# Altium PCB InsaneKeyboard.PcbDoc (part 3 of 4)
Units mil, origin at the board's own origin, x right, y up, seen from the top; angles counter-clockwise.
Board outline 7442.83 x 6333.68 mil, 4 copper layers (Top Layer, Int1 (GND), Int2 (GND), Bottom Layer), stack 60.6 mil thick; 288 components, 175 nets, 883 pads, 541 vias.
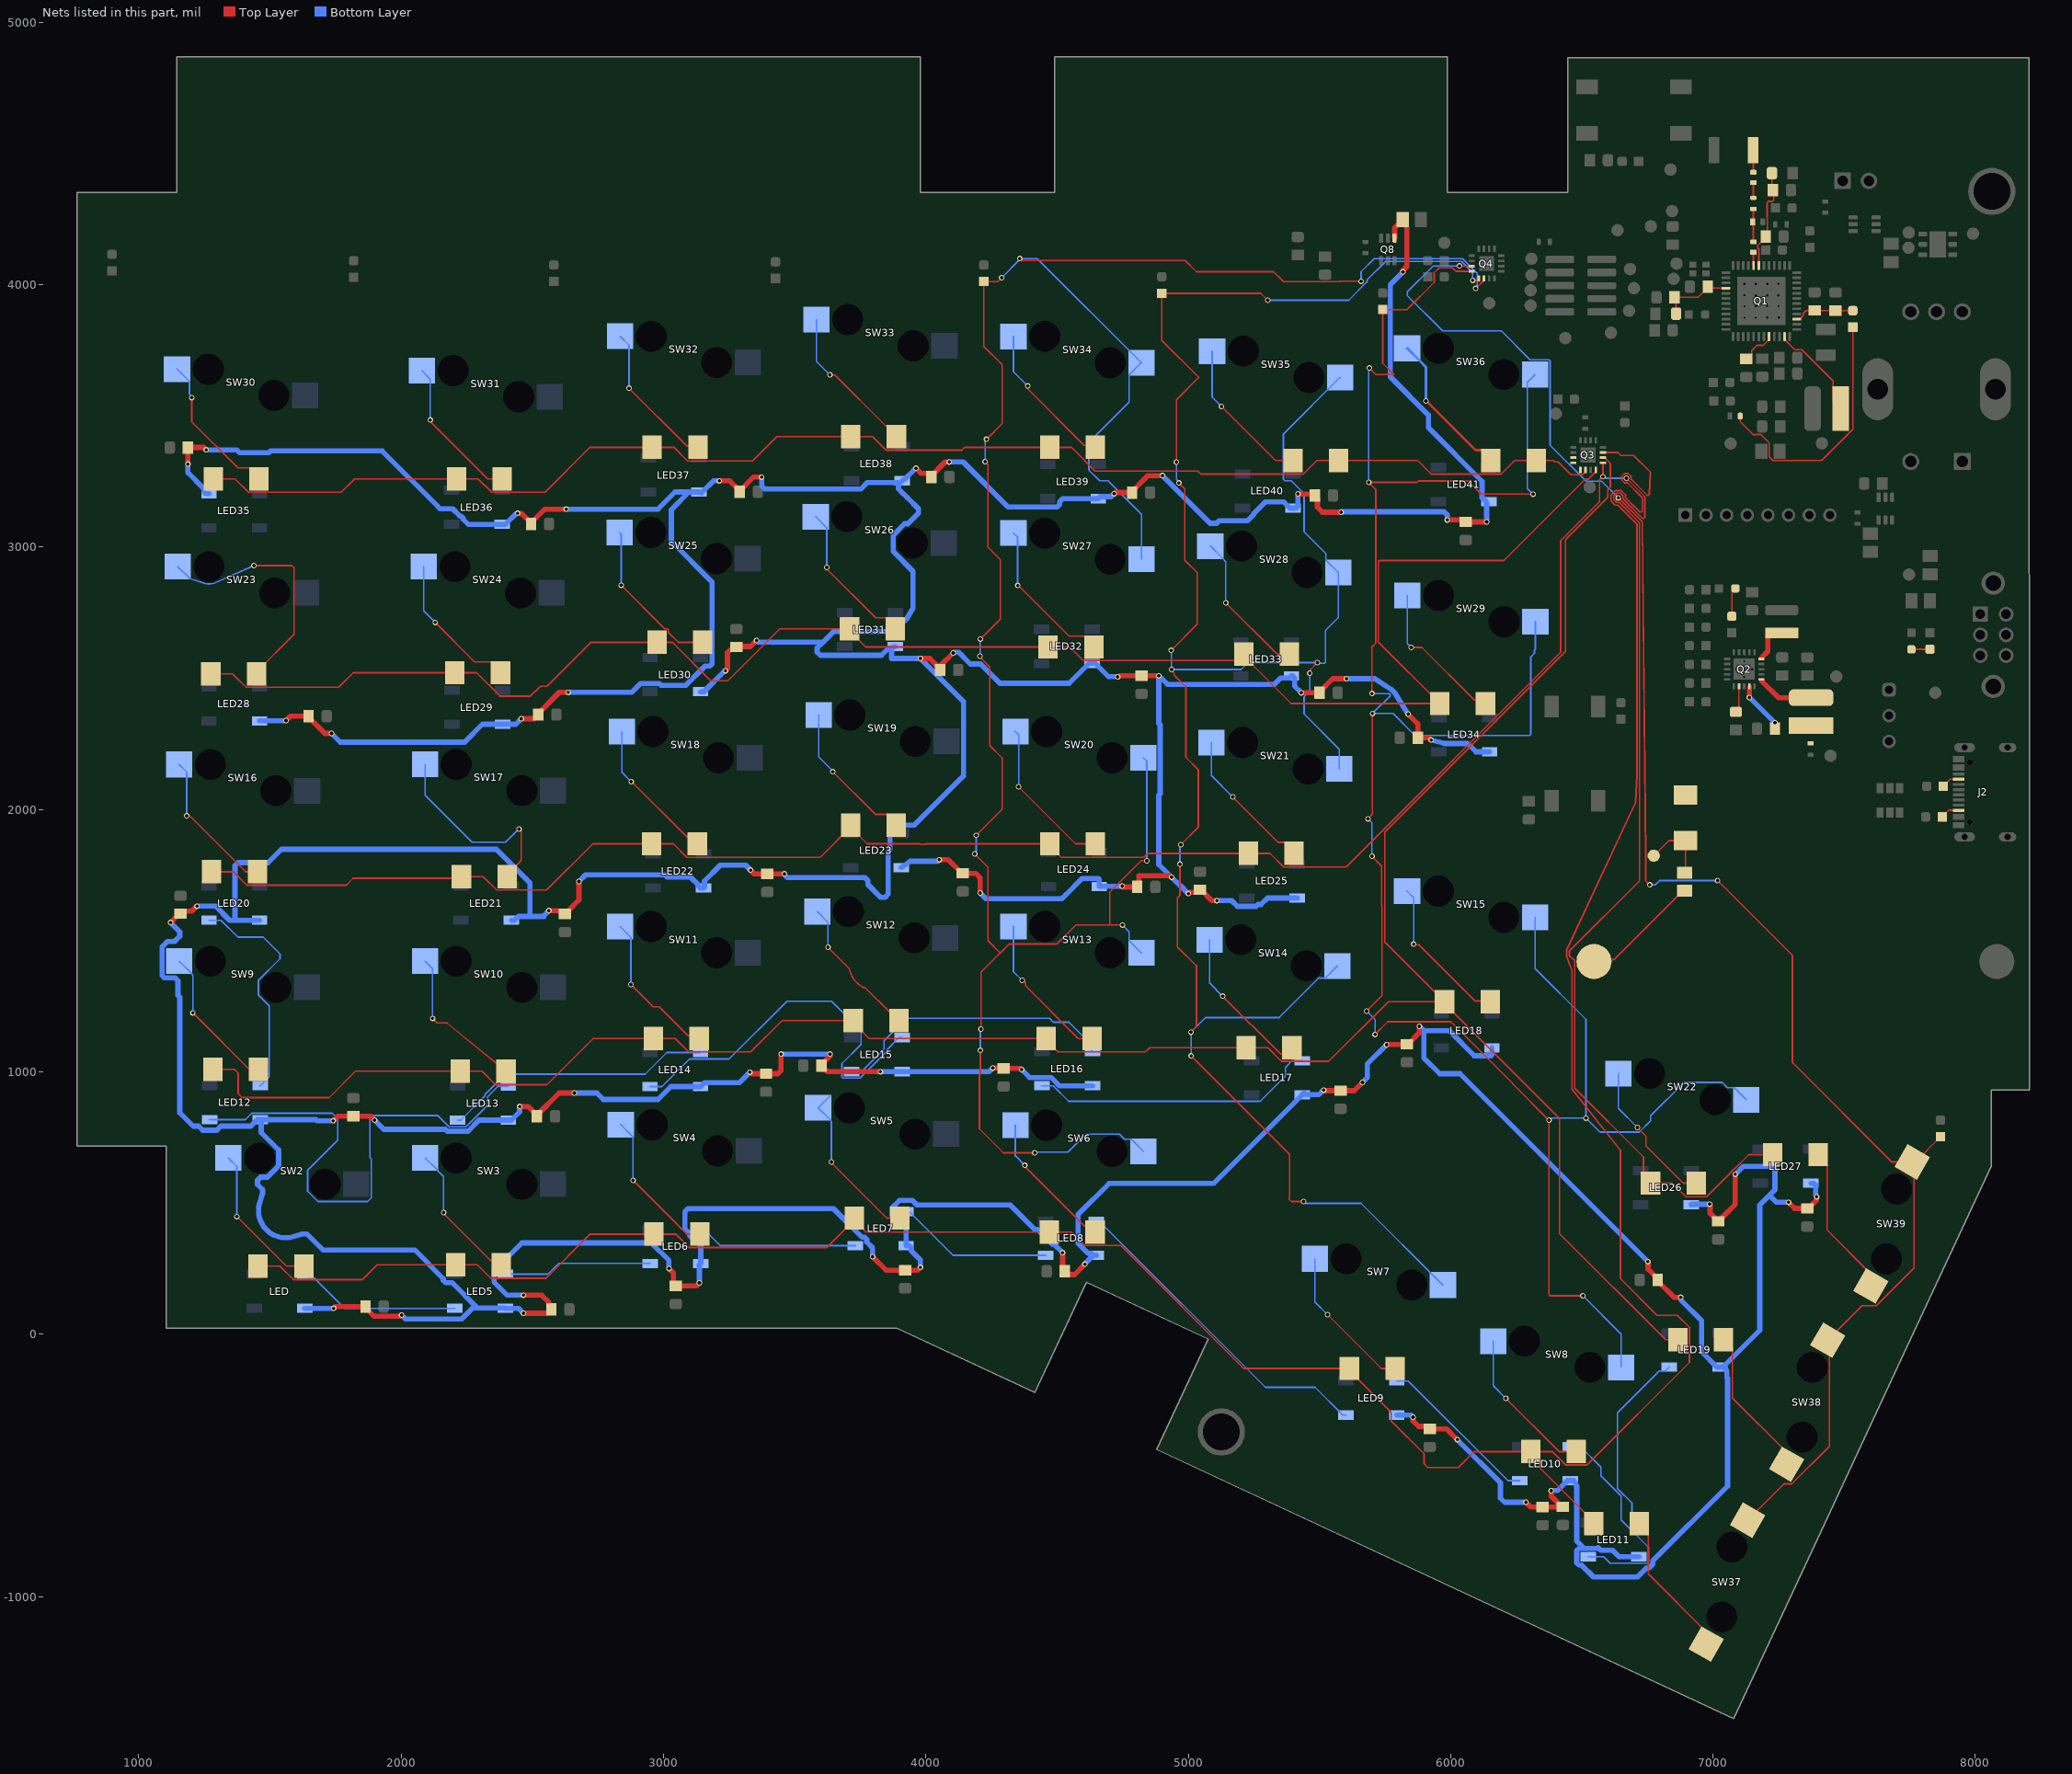
[diagram p5: the nets of this part, all layers, seen from the top]

## Via types
v1: diameter 21, hole 13, Top Layer to Bottom Layer, tented both sides, 274 vias
v2: diameter 21, hole 13, Top Layer to Bottom Layer, 266 vias
v3: diameter 23, hole 13, Top Layer to Bottom Layer, tented both sides, 1 vias

## Nets (pads, with @x,y where several pads share a name; then routed paths per layer and width w, separated by ;. In a path a pad name is that pad's centre, name@x,y a point inside that pad or via, vN(x,y) a via of type N, cw(c..) or ccw(c..) an arc to the next point about the centre after c; other vN are vias at no path point) (continued)
IO_COL_P4: Q4.7 R22.1 SW6.2 SW13.2 SW20.2 SW27.2 SW34.2 | length 9269
  Top Layer w6: v1(4186,1831) 4236.89,1780.11 4236.89,1500.09 4283.1,1453.88 ; v1(4192,1902) 4291.16,2001.16 4291.16,2197.05 4290.17,2197.05 4243.96,2243.26 4243.96,2544.04 4206,2582 v1(4206,2584.35) ; v1(4208,1082) 4208,992.75 4204,988.75 4204,783.21 4295.21,692 v2(4415,692) ; v1(4208,2650) 4284.08,2726.08 4284.08,2953.89 4283.1,2953.89 4236.89,3000.1 4236.89,3314.99 4226,3325.87 v1(4226,3326) ; v1(4210,1163.16) 4210,1380.78 4283.1,1453.88 ; v1(4231,3411) 4291.16,3471.16 4291.16,3695.9 4284.06,3703 4283.08,3703 4221,3765.08 R22.1@4221,4012.5 4274.5,4012.5 v1(4289,4027) ; v1@4361.5,4092.5 4989,4092.5 5031.5,4050 5324.97,4050 5363.1,4011.87 5575.34,4011.87 5576.97,4013.5 v1(5659,4013.5) ; v2(4749,1560) 4701,1560 ; v2(4842,1805) 4838,1805 4837,1806 4821.25,1806 4701,1685.75 4701,1560 ; v1(6095,3986) 6095.35,3986 6127.16,4017.81 Q4.7@6127.16,4024.5 ; 4283.1,1453.88 4284.08,1453.88 4318.03,1487.82 4499.93,1487.82 4572.1,1560 4701,1560
  Bottom Layer w6: v1(4186,1831) 4186,1835.06 4192,1841.06 v1(4192,1902) ; v1(4206,2584.35) 4207,2585.35 4207,2649 v1(4208,2650) ; v1(4208,1082) 4208,1161.16 v1(4210,1163.16) ; v1(4226,3326) v1@4226,3401.94 ; v1(4289,4027) 4357.98,4095.98 v1(4357.98,4100) 4423.96,4100 SW34.2@4820.95,3703 ; v2(4415,692) 4417,694 4541.68,694 4610.77,763.09 4737.46,763.09 4757.3,743.25 4782.82,743.25 SW6.2@4829.03,697.04 ; v2(4749,1560) 4774.76,1534.24 4774.76,1500.09 4820.97,1453.88 SW13.2@4821.96,1453.88 ; SW27.2@4821.96,2953.89 4821.96,3124.79 4693.95,3252.8 4662.48,3252.8 4620.93,3294.34 4620.93,3398.66 4774.74,3552.47 4774.74,3656.79 SW34.2@4820.95,3703 ; SW34.2@4821.94,3703 SW34.2@4820.95,3703 ; SW20.2@4829.03,2197.05 4842,2184.08 v2(4842,1805) ; v1(5659,4013.5) 5659,4050 5708.5,4099.5 6045.39,4099.5 6101.47,4043.42 6101.47,3996.53 6095,3990.06 v1(6095,3986)
IO_COL_P5: Q4.8 R23.1 SW7.2 SW14.2 SW21.2 SW28.2 SW35.2 | length 8995.6
  Top Layer w6: v1(4935,2607) 5034.09,2706.09 5034.09,2903.89 5033.1,2903.89 4986.89,2950.1 4986.89,3222.01 v1(4963.95,3244.95) ; v1(4937,2533.54) 4937,2529.48 4946.64,2519.84 4946.64,2511.36 4990.87,2467.13 4990.87,2199.21 5037.08,2153 5038.06,2153 5038.06,1932.06 v1(4972,1866) ; v1(4955,3324) 4955,3561.78 5040.18,3646.96 ; v1(4968,1792) 4968,1672.75 4959,1663.75 4959,1476.08 5030.08,1405 5031.06,1405 5031.06,1172.06 v1(5010.55,1151.55) ; v1(5011,1061) 5385.87,686.13 5385.87,521 5384.92,520.05 5384.92,515.08 5394,506 v2(5440,506) ; 5041.16,3646.96 5040.18,3646.96 ; v1(5303,3941) 5276.5,3967.5 R23.1@4899,3967.5 4899,3788.14 5040.18,3646.96 ; v2(5463,2520) 5465.87,2522.87 5465.87,2533.87 v2(5492,2560) ; v1(6083.97,4016.97) 6105.35,4016.97 6107.47,4019.09 Q4.8@6107.47,4024.5
  Bottom Layer w6: v1(4935,2607) 4936,2606 4936,2534.54 v1(4937,2533.54) 4937.22,2533.76 5201.49,2533.76 5227.73,2560 v2(5492,2560) 5494.87,2557.13 5510.93,2557.13 5511.06,2557 5519.49,2557 5523,2560.51 5523,2682.86 5571.96,2731.82 SW28.2@5571.96,2903.89 5570.98,2903.89 5524.77,2950.1 5524.77,2975.49 5441.5,3058.75 5441.5,3204.25 5392.25,3253.5 5367.77,3253.5 5362.93,3258.34 5362.93,3431.83 5578.05,3646.96 SW35.2@5579.04,3646.96 ; v1(4955,3324) 4955,3257.96 4963.95,3249.01 v1(4963.95,3244.95) ; v1(4968,1792) 4968,1862 v1(4972,1866) ; v1(5011,1061) 5011,1151.09 v1(5010.55,1151.55) 5066.45,1207.45 5347.08,1207.45 5497.2,1357.57 5522.72,1357.57 SW14.2@5568.94,1403.79 ; v1(5303,3941) 5611.25,3941 5681.75,4011.5 5681.75,4019 5752.25,4089.5 6041.25,4089.5 6083.97,4046.78 v1(6083.97,4016.97) ; v2(5440,506) 5447,499 5658.95,499 5969.95,188 SW7.2@5970.94,188 ; v2(5463,2520) 5463,2450.89 5441.5,2429.39 5441.5,2364.34 5575.94,2229.91 SW21.2@5575.94,2154.79
IO_COL_P6: Q4.9 R24.1 SW8.2 SW15.2 SW22.2 SW29.2 SW36.2 | length 9434.8
  Top Layer w6: v1(5680,1232) 5739,1291 5739,1633.08 5736.87,1635.21 5736.87,1785.13 v1(5700,1822) ; v1(5685,1965) 5702,1982 v1(5702,2366) ; v1(5690,3683) 5715,3658 5784.06,3658 5741,3701.06 R24.1@5741,3905.5 5833.34,3905.5 5937.22,4009.38 5937.22,4046.01 5955.93,4064.72 6007.19,4064.72 6020.43,4051.47 Q4.9@6080.5,4051.47 ; v1(5700,2442) 5700,2619.37 5714.93,2634.3 5714.93,3220.07 v1(5688,3247) 5872.25,3247 5877.75,3252.5 6067.13,3252.5 6117.63,3202 v2(6314,3202) ; v1(5712,1143) 5760.5,1191.5 6001.16,1191.5 6236.31,956.34 6236.31,954.69 v1(6375,816) 6375,150.51 6378.51,147 v2(6504,147)
  Bottom Layer w6: v1(5680,1232) 5712,1200 v1(5712,1143) ; v1(5685,1965) 5700,1950 v1(5700,1822) ; v1(5688,3247) 5688,3681 v1(5690,3683) ; v1(5700,2442) 5766,2442 5769.52,2438.49 5769.52,2433.52 v1(5702,2366) 5780.01,2366 5863.6,2282.4 6301.73,2282.4 6305.83,2286.5 6305.83,2581.79 6319.42,2595.38 6319.42,2607.1 6322.94,2610.62 SW29.2@6322.94,2716 ; v2(6314,3202) 6292.5,3223.5 6292.5,3628.56 SW36.2@6321.94,3658 ; SW15.2@6321.94,1589 6321.94,1394.21 6516,1200.14 v1(6516,824) ; v1(6375,816) 6378.01,816 6386.01,824 v1(6516,824) ; v2(6504,147) 6650.06,0.94 SW8.2@6650.06,-126.07 ; SW22.2@7126.94,894 7080.72,940.21 7055.2,940.21 7035.36,960.06 6889.72,960.06 6762.45,832.79 6762.45,813.7 6719.25,770.5 6569.5,770.5 v1(6516,824)
IO_COL_P7: Q4.10 R25.1 SW37.2 SW38.2 SW39.2 | length 6651.2
  Top Layer w6: v1(6034,4072) 6034.42,4071.58 6080.08,4071.58 Q4.10@6080.5,4071.16 ; v1(6639,3188) 6730,3097 6743.38,1823.68 6743.38,1728.62 v2(6759,1713) ; v2(7017.56,1729.44) 7302.73,1444.27 7302.73,1036.4 7682.62,656.51 7770.5,656.51 R25.1@7867,753.01 ; SW37.2@7131.87,-708.35 7270.14,-570.08 7300.42,-570.08 7443.92,-426.58 7443.92,-29.07 SW38.2@7437.33,-22.49 7568.75,108.92 7622.42,108.92 7765.92,252.42 7765.92,649.93 SW39.2@7762.13,653.72
  Bottom Layer w6: v1(6034,4072) 5933.75,4072 5835,3973.25 5835,3958.75 5969.7,3824.05 6193.26,3824.05 6303.1,3714.21 6375.03,3714.21 6379.13,3710.11 6379.13,3388.45 6516.08,3251.5 6575.5,3251.5 v1(6639,3188) ; v2(6759,1713) 6780.06,1713 6796.5,1729.44 v2(7017.56,1729.44)
IO_ROW_P0: D3.1 D4.1 D5.1 D6.1 D7.1 D8.1 D9.1 D38.1 Q3.2 | length 11101.4
  Top Layer w6: D3.1@1455,260 1537.6,260 1589.1,208.5 1853.3,208.5 1909.8,265 2290.6,265 2342.1,213.5 2551.8,213.5 2720.3,382 3046.6,382 3098.1,330.5 3622,330.5 D6.1@3727,435.5 ; D6.1@3727,443 D6.1@3727,435.5 ; D38.1@6545,-721 6545,-713.5 6339,-507.5 6339,-481 D9.1@6305,-447 ; Q3.2@6580.5,3360.84 6637.77,3360.84 6649.11,3349.5 6697.58,3349.5 6761.04,3286.04 6761.04,3283.42 6757.41,3201.51 6754,3198.11 6749.03,3198.11 6687.5,3259.64 6687.5,3270.25 6677.25,3280.5 6662.75,3280.5 6652.5,3270.25 6652.5,3255.75 6662.75,3245.5 6673.36,3245.5 6730,3188.86 6730,3137.28 6726.49,3133.77 6721.51,3133.77 6666.5,3188.78 6666.5,3199.39 6650.39,3215.5 6627.61,3215.5 6611.5,3199.39 6611.5,3176.61 6627.61,3160.5 6638.22,3160.5 6710,3088.72 6710,2132.78 6705.28,2026.37 6704.77,2025.29 6442.35,1464.05 6442.35,1439.2 6461.97,1387.26 6462.35,934.5 6647,702.74 6647,212.25 6786.75,72.5 6863.9,72.5 6910,26.4 6910,-107.4 6518.9,-498.5 6439.1,-498.5 6387.6,-447 D9.1@6305,-447 ; D6.1@3727,435.5 3772.5,390 4553.6,390 4605.1,338.5 4743.02,338.5 5211.52,-130 D8.1@5614,-130 5614,-137.5 5773.62,-297.12 5773.62,-330.51 5899.24,-456.13 5899.24,-493.99 5912.75,-507.5 6029.19,-507.5 6089.69,-447 D9.1@6305,-447
IO_ROW_P1: D10.1 D11.1 D12.1 D13.1 D14.1 D15.1 D16.1 D39.1 Q3.3 | length 9396
  Top Layer w6: D10.1@1282,1010 1364.6,1010 1379.23,995.37 1379.23,917.01 1393.86,902.38 1725.89,902.38 1826.04,1002.53 D11.1@2225.95,1002.53 2308.55,1002.53 2360.05,951.03 2555.75,951.03 2732.25,1127.53 3044.55,1127.53 3096.05,1076.03 3332.75,1076.03 3452.25,1195.53 D13.1@3722.95,1195.53 3722.95,1188.03 3783.45,1127.53 D14.1@4458.95,1127.53 4458.95,1120.03 4502.95,1076.03 4836.99,1076.03 4852.96,1092 D15.1@5221,1092 5303.6,1092 5355.1,1040.5 5535.3,1040.5 5762.8,1268 D16.1@5977,1268 ; Q3.3@6580.5,3341.16 6587.19,3341.16 6608.5,3319.85 6608.5,3229.78 6599.31,3220.59 6599.31,3190.73 6438,3029.43 6438,2603.46 5749,1914.46 5749,1496 D16.1@5977,1268 ; D39.1@6866,-21 6820,-21 6415.5,383.5 6415.5,822 5977,1260.5 D16.1@5977,1268
IO_ROW_P2: D17.1 D18.1 D19.1 D20.1 D21.1 D22.1 D23.1 D40.1 Q3.4 | length 10458
  Top Layer w6: D17.1@1278,1763 1360.6,1763 1412.1,1711.5 1790.78,1711.5 1817.28,1738 2223.42,1738 D18.1@2229.95,1744.53 2312.55,1744.53 2364.05,1693.03 2554.25,1693.03 2730.75,1869.53 3037.55,1869.53 3089.05,1818.03 3597.95,1818.03 D20.1@3712.95,1933.03 ; D20.1@3712.95,1940.53 D20.1@3712.95,1933.03 ; Q3.4@6580.5,3321.47 v1(6580.5,3269) 6567.72,3256.22 6567.72,3173.28 6419.5,3025.07 6419.5,2599.1 5601.9,1781.5 5363.1,1781.5 5311.6,1833 D22.1@5229,1833 4845.25,1833 4830.28,1818.03 4515.95,1818.03 4471.95,1862.03 D21.1@4471.95,1869.53 3999.28,1869.53 3996.25,1866.5 3981.75,1866.5 3978.72,1869.53 3776.45,1869.53 D20.1@3712.95,1933.03 ; v1(6670,3263) 6740,3193 6740,3113.14 6736.49,3109.63 6731.51,3109.63 6656.5,3184.64 6656.5,3195.25 6646.25,3205.5 6631.75,3205.5 6621.5,3195.25 6621.5,3180.75 6631.75,3170.5 6642.36,3170.5 6720,3092.86 6720,1727.55 6452.35,1459.91 6452.35,1443.34 6464.07,1431.62 6468.84,1429.14 6472.35,1425.62 6472.35,938.65 6735,676 6735,603 D23.1@6762,576 6844.6,576 6896.1,524.5 6975.9,524.5 7067.5,616.1 7067.5,617.25 7077.75,627.5 7078.9,627.5 7136.4,685 D40.1@7227,685
  Bottom Layer w6: v1(6580.5,3269) 6584.56,3269 6590.56,3263 v1(6670,3263)
IO_ROW_P3: D24.1 D25.1 D26.1 D27.1 D28.1 D29.1 D30.1 Q3.5 | length 6755.1
  Top Layer w6: D24.1@1274.95,2517.53 1357.55,2517.53 1409.05,2466.03 1762.25,2466.03 1817.75,2521.53 D25.1@2204.95,2521.53 2287.55,2521.53 2376.58,2432.5 2493.25,2432.5 2530.78,2470.03 2556.25,2470.03 2723.75,2637.53 3033.25,2637.53 3179.78,2491 3245.51,2491 3443.51,2689 D27.1@3709,2689 3709,2681.5 3770.97,2619.53 4548.55,2619.53 4600.05,2568.03 5188.03,2568.03 D29.1@5212,2592 5212,2584.5 5392.5,2404 D30.1@5959,2404 5724.93,2638.07 5724.93,2945.42 5728.45,2948.93 6203.56,2948.93 6514.25,3259.62 6525.34,3259.62 6553.53,3287.81 Q3.5@6553.53,3294.5
IO_ROW_P4: D31.1 D32.1 D33.1 D34.1 D35.1 D36.1 D37.1 Q3.7 | length 5591
  Top Layer w6: D31.1@1283.95,3260.53 1366.55,3260.53 1418.05,3209.03 1771.75,3209.03 1823.25,3260.53 2293.55,3260.53 2345.05,3209.03 2548.25,3209.03 2719.75,3380.53 3039.55,3380.53 3091.05,3329.03 3339.25,3329.03 3431.75,3421.53 3796.55,3421.53 3848.05,3370.03 4137.75,3370.03 4148.25,3380.53 D35.1@4471.95,3380.53 4554.55,3380.53 4645.07,3290.01 5036.23,3290.01 5047.74,3278.5 5438.9,3278.5 5490.4,3330 D36.1@5573,3330 5874.2,3330 5925.7,3278.5 6192.9,3278.5 6244.4,3330 D37.1@6327,3330 6392.33,3330 6397.38,3324.95 6409.42,3324.95 6458.67,3275.69 6502.04,3275.69 6514.16,3287.81 Q3.7@6514.16,3294.5
IO_ROW_P5: Q3.8
IO_ROW_P6: Q3.9
IO_ROW_P7: Q3.10
LED_PWR: C30.1 C31.1 C32.1 C33.1 C34.1 C35.1 C36.1 C37.1 C38.1 C39.1 C40.1 C41.1 C42.1 C43.1 C44.1 C45.1 C46.1 C47.1 C48.1 C49.1 C50.1 C51.1 C52.1 C53.1 C54.1 C55.1 C56.1 C57.1 C58.1 C59.1 C60.1 C61.1 C62.1 C63.1 C64.1 C65.1 C66.1 C67.1 C68.1 LED5.1-VDD LED6.1-VDD LED7.1-VDD LED8.1-VDD LED9.1-VDD LED10.1-VDD LED11.1-VDD LED12.1-VDD LED13.1-VDD LED14.1-VDD LED15.1-VDD LED16.1-VDD LED17.1-VDD LED18.1-VDD LED19.1-VDD LED20.1-VDD LED21.1-VDD LED22.1-VDD LED23.1-VDD LED24.1-VDD LED25.1-VDD LED26.1-VDD LED27.1-VDD LED28.1-VDD LED29.1-VDD LED30.1-VDD LED31.1-VDD LED32.1-VDD LED33.1-VDD LED34.1-VDD LED35.1-VDD LED36.1-VDD LED37.1-VDD LED38.1-VDD LED39.1-VDD LED40.1-VDD LED41.1-VDD LED.1-VDD Q8.6 | length 41466.9
  Top Layer w20: v2(1121.14,1569.07) 1155.06,1603 C47.1@1159,1603 1168.69,1612.69 1202.41,1612.69 1221.73,1632 v2(1222,1632) ; v2(1187.45,3316.45) C32.1@1187.45,3380 1248,3380 v2(1257,3371) ; v2(1561,2339) 1561.27,2339 1578.27,2356 1643.61,2356 1709.1,2290.51 1734.81,2290.51 v2(1735,2290.32) ; v2(1741,814) 1741.27,814 1758.82,831.55 C60.1@1818,831.55 1883.18,831.55 1898.73,816 v2(1899,816) ; v2(1743,99) 1750,106 C59.1@1864.55,106 1864.55,102.06 1898.24,68.38 1997.11,68.38 2001.73,73 v2(2002,73) ; v2(2444,3129) 2444.19,3128.81 2458.86,3128.81 C33.1@2495.23,3092.44 ; v2(2452,868) 2452.19,867.81 2484.68,867.81 C62.1@2517.55,834.94 ; v2(2458,2346) 2506.55,2346 2508.93,2348.38 2512.87,2348.38 2522.55,2358.06 C46.1@2522.55,2362 2522.55,2365.94 2603.42,2446.81 2636.81,2446.81 v2(2637,2447) ; v2(2466,80) 2466.19,80.19 2551.15,80.19 2552.34,81.38 2562.87,81.38 2572.55,91.06 C63.1@2572.55,95 2562.87,104.69 2562.87,122.13 2536,149 v2(2466,149) ; C33.1@2495.23,3088.5 C33.1@2495.23,3092.44 ; C62.1@2517.55,831 C62.1@2517.55,834.94 ; v2@2563,1614.73 2563.08,1614.81 2563.9,1614.81 2563.98,1614.73 2599.15,1614.73 2601.97,1611.91 2614.81,1611.91 C48.1@2624.49,1602.23 2628.43,1602.23 2638.11,1611.91 2638.11,1615.85 2677.85,1655.58 v2(2677.85,1725.76) ; v2(2629,3145) 2547.79,3145 C33.1@2495.23,3092.44 ; v2(2660.05,919.32) 2601.94,919.32 C62.1@2517.55,834.94 ; v2(3021,251) 3021,250.73 3037.6,234.13 3037.6,192.13 3045.28,184.45 3125.18,184.45 3136.73,196 v2(3137,196) ; v2(3213,3253) 3213.19,3252.81 3252.68,3252.81 3283.02,3222.47 C34.1@3283.02,3218.53 ; v2(3236,2529) 3244,2537 3244,2598.15 3255.72,2609.87 3268.31,2609.87 C45.1@3278,2619.55 3279.73,2621.28 3331.62,2621.28 3354.34,2644 v2(3354.61,2644) ; C34.1@3290.55,3214.94 3342.42,3266.81 3373.81,3266.81 v2(3374,3267) ; v2(3329,999) 3329.27,999 3334.82,993.45 C65.1@3391,993.45 3436.28,993.45 3448,1005.16 v2(3448,1068.04) ; v2(3332.17,1768.83) 3346,1755 C49.1@3396,1755 v2(3461,1755) ; v2(3634.87,1068.04) 3634.68,1067.85 3634.68,1060.72 3601.9,1027.94 C58.1@3601.9,1024 3601.9,1020.06 3611.58,1010.38 3615.52,1010.38 3624.9,1001 v2(3827,1001) ; v2(3797,296) 3848.55,244.45 C66.1@3921,244.45 3968.45,244.45 v2(3979,255) ; v2(3962,3301) 3962.27,3301 3981.87,3281.41 4011.1,3281.41 C35.1@4020.79,3271.72 ; v2(3979,2576) 3979.19,2575.81 4014.68,2575.81 C44.1@4048.88,2541.61 ; C35.1@4020.79,3267.78 C35.1@4020.79,3271.72 ; v2(4051,1809) 4051.19,1808.81 4085.25,1808.81 4137.06,1757 C50.1@4141,1757 4190,1757 4207,1740 v2(4207,1682) ; C44.1@4054.55,2532 4054.55,2547.28 v2@4104.46,2597.19 ; v2(4089,3325) 4088.81,3324.81 4073.88,3324.81 C35.1@4020.79,3271.72 ; v2(4255,1015) 4255.19,1014.81 4295.64,1014.81 C52.1@4297,1013.45 4360.28,1013.45 4364.73,1009 v2(4365,1009) ; v2(4521,311) 4521.19,310.81 4521.19,248.26 C67.1@4529.45,240 4529.45,237.28 4539.13,227.59 4566.59,227.59 v2(4606,267) ; v2(4718,3204) 4718.27,3204 4722.76,3208.48 C36.1@4785.72,3208.48 4785.72,3212.42 4845.81,3272.51 v2(4901.74,3272.51) ; v2(4731,2506) 4732,2507 4737,2507 4740,2510 C43.1@4822,2510 v2(4888,2510) ; v2(4748,1708) 4748.27,1708 4751.27,1705 C39.1@4805.55,1705 4811.72,1711.16 4811.72,1748 4930.73,1748 4936.73,1742 v2(4937,1742) ; v2(5000.25,1679.5) 5000.52,1679.5 5005.34,1684.31 5035.31,1684.31 C40.1@5045,1694 5048.94,1694 5089.75,1653.19 5108.81,1653.19 v2(5109,1653) ; v2(5418,3203) 5418.19,3202.81 5474.74,3202.81 5475.74,3203.81 C37.1@5482.55,3197 5492.24,3187.31 5492.24,3152.38 5511.61,3133 v2(5583,3133) ; v2(5431,2445) C42.1@5500.55,2445 5500.55,2448.94 5550.61,2499 v2(5603.49,2499) ; v2(5516,931) 5516.27,931 5518.82,928.45 C53.1@5580,928.45 5632.45,928.45 v2(5664,960) ; v2(5756,1104) 5756.19,1104.19 5832.29,1104.19 C54.1@5834,1105.9 5837.94,1105.9 5880.81,1148.77 5880.81,1173.81 v2(5881,1174) ; Q8.6@5786.59,4178.31 5786.59,4217.35 5798.31,4229.06 5804.52,4229.06 C30.1@5817.35,4241.9 ; C30.1@5817.35,4248 C30.1@5817.35,4241.9 ; v2(5818,4049) 5818.19,4049.19 5818.19,4055.29 5833,4070.1 5833,4217.35 5830.19,4220.16 5830.19,4229.06 C30.1@5817.35,4241.9 ; v2(5838,2364) 5874.9,2327.1 C41.1@5874.9,2274 5916.63,2274 5925.73,2264.9 v2(5926,2264.9) ; v2(5857.19,-316.19) 5857.19,-330.34 5877.72,-350.87 5910.31,-350.87 C57.1@5920,-360.55 5984.81,-360.55 v2(6025.63,-401.37) ; v2(5987,3104) 6050,3104 C38.1@6058,3096 v2(6137,3096) ; v2(6287,-640) 6305.55,-658.55 C68.1@6351,-658.55 6351.5,-658.05 C61.1@6427.5,-658.05 ; v2(6383,-596) 6383.19,-596.19 6383.19,-616.68 6424.06,-657.55 C61.1@6428,-657.55 ; v2(6752,277) 6752.19,276.81 6752.19,248.19 6789.45,210.94 C55.1@6789.45,207 6789.45,203.06 6851.51,141 v2(6877,141) ; v2(6987,496) 6989,494 6989,461.45 7006.38,444.07 7006.38,440.13 7016.06,430.45 C51.1@7020,430.45 7023.94,430.45 7033.62,440.13 7033.62,444.07 7085,495.45 v2(7085,610) ; v2(7288,503) 7311.55,479.45 C56.1@7359,479.45 7362.94,479.45 7394.81,511.32 7394.81,523.81 v2(7395,524)
  Bottom Layer w20: v2(1121.14,1569.07) 1156.52,1533.69 1156.52,1517.12 1136.49,1497.09 1109.47,1497.09 1089.44,1477.05 1089.44,1367.03 1097.64,1358.83 1137.8,1358.83 1149.52,1347.11 1149.52,1291.78 1156.52,1284.78 1156.52,844.48 1207.68,793.32 1228.22,793.32 1243.54,778 1297.55,778 1312.87,793.32 1426.93,793.32 1451.65,818.04 LED12.1-VDD@1463.46,818.04 LED12.1-VDD@1466.46,818.04 ; v2(1187.45,3316.45) 1187.64,3316.26 1187.64,3283.86 1248.02,3223.49 1248.02,3211.68 1255.73,3203.96 LED35.1-VDD@1267.54,3203.96 ; v2(1222,1632) 1292.92,1632 1346.88,1578.04 1367,1578.04 ; v2(1257,3371) 1373.35,3371 1384.68,3359.68 1495.99,3359.68 1502.99,3366.68 1927.99,3366.68 2142.67,3152 2143,3152 2149,3146 2196.79,3146 2224.03,3118.76 2227.87,3118.76 2236.07,3110.55 2236.07,3106.72 2255.75,3087.04 LED36.1-VDD@2385.46,3087.04 2397.27,3087.04 2439.04,3128.81 2443.81,3128.81 v2(2444,3129) ; LED20.1-VDD@1460.46,1578.04 1367,1578.04 ; LED28.1-VDD@1460.46,2338.04 1559.77,2338.04 1560.73,2339 v2(1561,2339) ; LED.1-VDD@1633.46,99.04 v2(1743,99) ; v2(1735,2290.32) 1768.32,2257 2242,2257 2310.04,2325.04 LED29.1-VDD@2386.46,2325.04 2437.04,2325.04 v2(2458,2346) ; v2(1741,814) 1680.04,814 1676,818.04 LED12.1-VDD@1466.46,818.04 ; v2(1899,816) 1921.69,793.31 1933.68,781.32 2169.07,781.32 2176.07,774.32 2255.01,774.32 2296.73,816.04 LED13.1-VDD@2408.46,816.04 2420.27,816.04 2451.81,847.58 2451.81,867.81 v2(2452,868) ; v2(2002,73) 2017,58 2230.55,58 2272.83,100.28 2290.72,100.28 ; LED5.1-VDD@2396.22,100.28 2290.72,100.28 ; LED5.1-VDD@2397.46,99.04 2446.96,99.04 v2(2466,80) ; LED21.1-VDD@2420.46,1578.04 2432.27,1578.04 2446.98,1592.76 2491,1592.76 ; v2(2466,149) 2404,149 2353.93,199.07 2353.93,252.48 2362.13,260.68 2372.03,260.68 2460.03,348.68 2953.32,348.68 3020.81,281.19 3020.81,251.19 v2(3021,251) ; v2(2563,1615) 2563,1614.73 2544.85,1596.58 2544.85,1592.76 2491,1592.76 ; v2(2629,3145) 2979,3145 3044.04,3210.04 3097.04,3210.04 ; v2(2637,2447) 2879.46,2447 2913.22,2480.76 2983.87,2480.76 2990.87,2473.76 3084.99,2473.76 3158.48,2547.24 3176.78,2547.24 3184.98,2555.45 3184.98,2867.25 3030,3022.24 3030,3143 3097.04,3210.04 ; v2(2660.05,919.32) 2745.83,919.32 2770.15,895 2978.84,895 3027.88,944.04 LED14.1-VDD@3141.46,944.04 3156.17,958.76 3288.76,958.76 v2(3329,999) ; v2(2677.85,1725.76) 2703.09,1751 3006.37,1751 3014.57,1742.8 3102.97,1742.8 3132.93,1712.84 3132.93,1708.76 3140.65,1701.04 LED22.1-VDD@3152.46,1701.04 3156.46,1705.04 3156.46,1727.76 3216.74,1788.04 3312.96,1788.04 v2(3332.17,1768.83) ; LED37.1-VDD@3135.46,3210.04 3097.04,3210.04 ; v2(3137,196) 3137.19,196.19 3137.19,264.77 LED6.1-VDD@3142.46,270.04 3142.46,340.54 3114.76,368.24 3107.13,368.24 3098.93,376.45 3098.93,384.07 3082,401 3082,467.28 3093.72,479 3647.73,479 3756.97,369.76 3766.87,369.76 3775.07,361.55 3775.07,351.66 3796.81,329.92 3796.81,296.19 v2(3797,296) ; LED30.1-VDD@3141.46,2449.04 3153.27,2449.04 3233.04,2528.81 3235.81,2528.81 v2(3236,2529) ; LED37.1-VDD@3144.27,3207.04 3190.04,3252.81 3212.81,3252.81 v2(3213,3253) ; v2(3354.61,2644) 3360.94,2637.67 3607.41,2637.67 ; v2(3374,3267) 3374,3233.71 3385.72,3222 3680.54,3222 3681.22,3221.32 3751.87,3221.32 3777.26,3246.71 3895.45,3246.71 LED38.1-VDD@3903.13,3246.71 ; v2(3448,1068.04) v2(3634.87,1068.04) ; v2(3461,1755) 3460.08,1754.08 3460.08,1752.71 v2@3465.92,1746.87 ; v2@3465.95,1746.84 3471.8,1741 3767.16,1741 3778.88,1729.28 3778.88,1714.27 3827.64,1665.5 3844.21,1665.5 3855.92,1677.22 3855.92,1840.92 3862.93,1847.93 3862.93,1932.48 3871.13,1940.68 3955.68,1940.68 4143.22,2128.22 4143.22,2411.78 v2(3979,2576) 3869.45,2576 LED31.1-VDD@3869.45,2607.03 ; v2(3827,1001) LED15.1-VDD@3909.44,1001.02 ; LED31.1-VDD@3883.46,2621.04 3875.78,2621.04 3869.45,2614.71 3857.64,2614.71 3830.74,2587.81 3597.55,2587.81 3585.83,2599.52 3585.83,2616.09 3607.41,2637.67 ; LED23.1-VDD@3906.46,1779.04 3918.31,1786.76 3940.4,1802.67 4044.67,1802.67 v2(4051,1809) ; LED15.1-VDD@3909.46,1001.04 4240.77,1001.04 4254.73,1015 v2(4255,1015) ; v2(3962,3301) 3953.7,3293.14 3921.31,3260.76 LED38.1-VDD@3909.46,3253.04 LED38.1-VDD@3903.13,3246.71 ; v2(3979,255) 3978.81,255.19 3978.81,283.69 3943.98,318.51 3943.98,330.32 3936.27,338.04 LED7.1-VDD@3924.46,338.04 3924.46,402.4 3890.62,436.24 3889.13,436.24 3870,455.37 3870,480.55 3899.45,510 3949.46,510 3966.78,492.68 4322.05,492.68 4415.48,399.24 4425.38,399.24 4481.6,343.02 4488.98,343.02 v2(4521,311) ; v2(4089,3325) 4141.66,3325 4313.34,3153.32 4499.87,3153.32 4509.97,3163.42 4509.97,3173.32 4521.69,3185.04 LED39.1-VDD@4657.46,3185.04 4665.17,3192.76 4706.49,3192.76 4717.73,3204 v2(4718,3204) ; v2(4104,2597) 4104.27,2597 4107.13,2599.86 4124.14,2599.86 4169.5,2554.5 4208.75,2554.5 4282.25,2481 4545.61,2481 4621.65,2557.04 LED32.1-VDD@4633.46,2557.04 4645.27,2557.04 4696.12,2506.19 4730.81,2506.19 v2(4731,2506) ; v2(4207,1682) 4229,1660 4517.85,1660 4533.13,1675.28 4533.28,1675.28 4595.23,1737.23 4657.4,1737.23 4660.91,1733.72 LED24.1-VDD@4660.91,1707 4661.72,1707.81 4747.81,1707.81 v2(4748,1708) ; v2(4365,1009) 4395.24,978.76 4477.87,978.76 4509.59,947.04 LED16.1-VDD@4635.46,947.04 ; v2(4606,267) 4606.19,267.19 4606.19,269.59 4631.8,295.2 LED8.1-VDD@4637.65,301.04 ; LED8.1-VDD@4649.46,301.04 LED8.1-VDD@4637.65,301.04 ; v2(4888,2510) 4888,2328.4 4893.23,2323.17 4893.23,2059.7 4888,2054.47 4888,1791 v2(4937,1742) 4968.32,1710.68 4969.07,1710.68 v2(5000.25,1679.5) ; v2@4888.33,2509.67 4920.68,2477.32 5328.64,2477.32 5352.64,2501.32 5385.74,2501.32 LED33.1-VDD@5393.46,2509.04 5397.51,2509.04 5405.22,2501.32 5405.22,2471.05 5431,2445.27 v2(5431,2445) ; v2(4901.74,3272.51) 5083.25,3091 5108.35,3091 5118.35,3101 5225.55,3101 5250.07,3125.52 5250.07,3129.07 5293.24,3172.24 5364.44,3172.24 LED40.1-VDD@5387.65,3149.04 ; v2(5109,1653) 5165.54,1653 5187.22,1631.32 5257.87,1631.32 5264.87,1638.32 5277.16,1638.32 5301.88,1663.04 LED25.1-VDD@5415.46,1663.04 ; LED40.1-VDD@5395.91,3149.04 LED40.1-VDD@5399.46,3149.04 5410.09,3149.04 5417.81,3156.76 5417.81,3202.81 v2(5418,3203) ; v2(5516,931) 5515.73,931 5497.77,913.04 5449.17,913.04 5441.81,920.4 LED17.1-VDD@5434.46,913.04 5096.38,574.96 4697.96,574.96 4580,457 4580,347 4618.24,308.76 4629.93,308.76 LED8.1-VDD@4637.65,301.04 ; v2@5583,3135 5975.28,3135 5987,3123.28 v2(5987,3104) ; v2(5603.49,2499) 5710,2499 5773.04,2459 5786.52,2445.53 v2(5838,2364) ; v2(5664,960) 5682,978 5682,1030 v2(5756,1104) ; LED9.1-VDD@5794.46,-307.96 5848.69,-307.96 5856.92,-316.19 v2(5857.19,-316.19) ; v2(5818,4049) 5769.87,4000.87 5769.87,3649.13 5915.65,3503.35 5915.65,3455.35 6119.93,3251.07 6119.93,3188.76 LED41.1-VDD@6134.65,3174.04 ; v2(5881,1174) 5881,1173.73 5897.73,1157 5994.89,1157 6090.09,1061.81 6153.94,1061.81 6157.46,1065.32 LED18.1-VDD@6157.46,1092.04 ; 5898,1156.73 5898,1053 5958,993 6036,993 v2(6752,277) ; v2(5926,2264.9) 5975.52,2251.76 6064.72,2251.76 6096.43,2220.04 LED34.1-VDD@6148.46,2220.04 ; v2(6025.63,-401.37) 6190,-565.74 6190,-624 6206,-640 v2(6287,-640) ; v2(6137,3096) 6137.19,3096.19 LED41.1-VDD@6137.19,3166.32 ; v2(6383,-596) 6383.19,-595.81 6406.8,-595.81 6444.65,-557.96 LED10.1-VDD@6456.46,-557.96 6468.27,-557.96 6475.98,-565.68 6475.98,-573.39 6481.02,-578.43 6481.02,-788.02 6509.24,-816.24 ; 6559.87,-816.24 6509.24,-816.24 ; 6562.74,-813.38 6572.6,-823.24 6617.24,-823.24 6641.96,-847.96 LED11.1-VDD@6717.46,-847.96 ; v2(6877,141) 6877.19,140.81 6877.19,130.81 6957,51 6957,-67.31 7014.65,-124.96 LED19.1-VDD@7026.46,-124.96 LED19.1-VDD@7038.27,-124.96 ; LED26.1-VDD@6917.46,494.04 6919.23,495.81 6986.81,495.81 v2(6987,496) ; v2(7085,610) 7115.1,640.1 7224.28,640.1 7236,628.38 7236,550.52 7215.24,529.76 ; v2(7288,503) 7242,503 7215.24,529.76 ; LED27.1-VDD@7373.26,575.8 7383.48,575.8 7391.19,568.08 7391.19,528.08 7395,524.27 v2(7395,524) ; 1367,1578.04 1367,1786.28 1378.72,1798 1493.35,1798 1544.03,1848.68 2362.95,1848.68 2491,1720.62 2491,1592.76 ; LED12.1-VDD@1466.46,818.04 1466.46,768.97 1533.13,702.3 1533.13,641.78 1490.34,598.98 1464.46,598.98 1458.6,593.12 1452.74,587.27 1452.74,570.7 1471.76,551.68 1471.76,535.11 1460.74,499.4 1457.53,487.35 1457.53,455.15 1460.74,443.1 1462.23,437.52 1467.04,425.91 1469.93,420.91 1476.18,410.12 1498.95,387.35 1514.74,378.21 1531.93,371.91 1543.98,368.7 1576.17,368.7 1593.8,373.4 1623.93,382.94 1640.5,382.94 1701.89,321.55 1710.17,321.55 2051.56,321.55 2161.02,212.09 2161.02,205.45 2169.22,197.24 2193.76,197.24 2290.72,100.28 ; 3607.41,2637.67 3648.19,2678.45 3859.6,2678.45 3912.42,2714.8 3918.78,2719.24 3926.98,2727.45 3951.05,2769.09 3951.05,2908.18 3875.95,2983.29 3875.95,3046.26 3918.74,3089.05 3931.42,3089.05 3972.06,3129.69 3972.06,3146.26 3929.26,3189.05 3907.17,3210.75 3895.45,3222.47 3895.45,3239.03 LED38.1-VDD@3903.13,3246.71 ; 6509.24,-816.24 6489.22,-816.24 6481.02,-824.45 6481.02,-871.48 6489.22,-879.68 6499.12,-879.68 6544.44,-925 6711.7,-925 6747.03,-889.68 6756.93,-889.68 6770.98,-875.62 6770.98,-863.02 7055.46,-578.54 7055.46,-168.13 7052.98,-165.66 7052.98,-139.68 LED19.1-VDD@7038.27,-124.96 ; LED19.1-VDD@7038.27,-124.96 7178.49,15.26 7178.49,493.01 7215.24,529.76
NetATT1_0: ATT1.FEED L2.2 | length 84.3
  Top Layer w6: ATT1.FEED@7153,4513 7153.68,4512.32 7153.68,4511.32 L2.2@7153.68,4428.94
NetBT2_P: BT2.P C23.2 | length 456.3
  Top Layer w6: BT2.P@6546.28,1421 6552.95,1427.67 6622.21,1427.67 6884.9,1690.35 C23.2@6891,1690.35
NetC1_1: C1.1 L1.2 R1.1 | length 127.4
  Top Layer w6: L1.2@7154,4163.68 7154,4236.86 C1.1@7150.64,4240.22 7154,4243.58 R1.1@7154,4288.35
NetC2_1: C2.1 C3.1 L3.2 Q1.9 | length 277.7
  Top Layer w6: L3.2@6859.37,3890 6859.37,3946.08 C3.1@6853.45,3952 6943.39,3952 C2.1@6980.45,3989.06 ; C2.1@6980.45,3993 6982.42,3991.03 6986.13,3987.31 Q1.9@7049,3987.31
NetC4_1: C4.1 C5.1 L4.2 Q1.18 | length 396.5
  Top Layer w6: Q1.18@7174.39,4073.34 7174.39,4135.67 7170.6,4139.47 7170.6,4149.87 7200.79,4180.06 C5.1@7200.79,4184 7206.85,4190.07 7206.85,4258.54 7206.24,4259.15 7206.24,4313.07 7210.89,4317.72 7226.9,4317.72 7231.55,4322.38 C4.1@7231.55,4358 ; L4.2@7224.63,4426 7224.63,4364.92 C4.1@7231.55,4358 ; C4.1@7228.55,4361 C4.1@7231.55,4358
NetC10_1: C10.1 C11.1 Q1.34 R5.2 | length 233.2
  Top Layer w6: Q1.34@7319.47,3869.2 7321.59,3871.32 7333.4,3871.32 7343.89,3881.81 7343.89,3891.62 7354.38,3902.1 C11.1@7387,3902.1 7387.55,3901.55 C10.1@7467,3901.55 7467.06,3901.5 R5.2@7533,3901.5
NetC12_1: C12.1 Q1.41 | length 126.2
  Top Layer w6: C12.1@7127,3717.45 7130.94,3717.45 7147.62,3734.13 7147.62,3749.44 7167.37,3769.19 7191.9,3769.19 7211.65,3788.94 Q1.41@7213.76,3791.05
NetC17_1: C17.1 D1.1 L8.1 Q2.2 R13.1 | length 178.5
  Top Layer w20: v1(7138.5,2427) 7138.59,2427.09 Q2.2@7138.59,2468.23
  Bottom Layer w20: v1(7138.5,2427) 7138.69,2426.81 7140.19,2426.81 v1(7236,2331)
NetC18_2: C18.2 Q2.4 | length 102.7
  Top Layer w6: C18.2@7087.1,2372.36 7098.6,2383.86 7098.6,2469.32 Q2.4@7099.32,2470.04
NetC23_1: C23.1 D1.2 TP15.1 | length 269
  Top Layer w6: TP15.1@6774,1824 6832,1882 D1.2@6895,1882 6895,1763.65 C23.1@6891,1759.65
NetD3_2: D3.2 SW2.1 | length 569.9
  Top Layer w6: v2(1374,449) 1563,260 D3.2@1629,260
  Bottom Layer w6: SW2.1@1341.14,672.04 1374,639.17 v2(1374,449)
NetD4_2: D4.2 SW3.1 | length 543
  Top Layer w6: v2(2162,464) 2162,459.94 2166.27,455.67 2166.27,455.27 2339.51,282.03 2364.97,282.03 D4.2@2382,265
  Bottom Layer w6: SW3.1@2091.14,672.04 2092.13,672.04 2138.34,625.82 2138.34,624.84 2162,601.18 v2(2162,464)
NetD5_2: D5.2 SW4.1 | length 570.6
  Top Layer w6: v2(2884,586.98) 3088.98,382 D5.2@3138,382
  Bottom Layer w6: SW4.1@2837.06,798.79 2837.79,798.79 2884,752.57 v2(2884,586.98)
NetD6_2: D6.2 SW5.1 | length 644.1
  Top Layer w6: v2(3640,657) 3640,654.64 3851.64,443 D6.2@3901,443
  Bottom Layer w6: SW5.1@3635.28,909.21 SW5.1@3589.06,863 3590.05,863 3636.26,816.79 3636.26,815.8 3640,812.06 v2(3640,657)
NetD7_2: D7.2 SW6.1 | length 549.3
  Top Layer w6: v2(4377,644) 4376.11,643.11 4372.89,643.11 4602.51,413.49 4621.51,413.49 D7.2@4645,390
  Bottom Layer w6: SW6.1@4341.16,797.04 4341.16,679.84 v2(4377,644)
NetD8_2: D8.2 SW7.1 | length 574.8
  Top Layer w6: v2(5531,75) 5736,-130 D8.2@5788,-130
  Bottom Layer w6: SW7.1@5483.06,288 5483.06,122.94 v2(5531,75)
NetD9_2: D9.2 SW8.1 | length 590.8
  Top Layer w6: v2(6210,-244) 6413,-447 D9.2@6479,-447
  Bottom Layer w6: SW8.1@6162.18,-26.07 6162.18,-196.18 v2(6210,-244)
NetD10_2: D10.2 SW9.1 | length 553.4
  Top Layer w6: v2(1206,1225) D10.2@1442.25,988.75
  Bottom Layer w6: SW9.1@1153.64,1422.04 1154.62,1422.04 1200.83,1375.83 1200.83,1374.85 1206,1369.68 v2(1206,1225)
NetD11_2: D11.2 SW10.1 | length 582.7
  Top Layer w6: v2(2120,1204) 2136.58,1187.42 2171.13,1187.42 2173.27,1187.42 2174.93,1186.07 D11.2@2399.95,1002.53
  Bottom Layer w6: SW10.1@2091.14,1422.04 2120,1393.19 v2(2120,1204)
NetD12_2: D12.2 SW11.1 | length 583.3
  Top Layer w6: v2(2876,1333) 2960.72,1248.28 2983,1248.28 3093.47,1137.82 3125.66,1137.82 D12.2@3135.95,1127.53
  Bottom Layer w6: SW11.1@2834.07,1553.88 2876,1511.95 v2(2876,1333)
NetD13_2: D13.2 SW12.1 | length 546.4
  Top Layer w6: v2(3627.06,1475.02) 3707.24,1394.84 3714.89,1373.49 3717.82,1365.82 3726.97,1350.8 3745.63,1332.13 3757.49,1324.82 3760.63,1323 3770.89,1319.27 3862.95,1227.2 D13.2@3896.95,1195.53
  Bottom Layer w6: SW12.1@3586.06,1611 3627.06,1570 v2(3627.06,1475.02)
NetD14_2: D14.2 SW13.1 | length 582.9
  Top Layer w6: v2(4367,1349) 4370.39,1349 4380,1339.39 4380,1328 4580.47,1127.53 D14.2@4632.95,1127.53
  Bottom Layer w6: SW13.1@4334.09,1553.88 4334.09,1381.91 v2(4367,1349)
NetD15_2: D15.2 SW14.1 | length 612
  Top Layer w6: v2(5131,1289) 5352.51,1067.49 5362.99,1067.49 5395,1099.5 D15.2@5395,1092
  Bottom Layer w6: SW14.1@5081.06,1503.79 5081.06,1338.94 v2(5131,1289)
NetD16_2: D16.2 SW15.1 | length 595
  Top Layer w6: v2(5859,1487) 5861.5,1484.5 5878.5,1484.5 6092.51,1270.49 6148.51,1270.49 D16.2@6151,1268
  Bottom Layer w6: SW15.1@5834.06,1689 5859,1664.06 v2(5859,1487)
NetD17_2: D17.2 SW16.1 | length 569.8
  Top Layer w6: v2(1183,1976) 1183,1976.99 v2@1188,1981.99 ; v2@1188.49,1981.49 1406.99,1763 D17.2@1452,1763
  Bottom Layer w6: SW16.1@1154.06,2171.79 1183,2142.85 v2(1183,1976)
NetD18_2: D18.2 SW17.1 | length 780.3
  Top Layer w6: D18.2@2403.95,1744.53 2403.95,1752.03 2458,1806.08 2458,1921.75 2457.31,1921.75 2453.06,1926 v2(2449,1926)
  Bottom Layer w6: SW17.1@2091.14,2172.05 2091.14,2055.07 2270.5,1875.71 2398.71,1875.71 v2(2449,1926)
NetD19_2: D19.2 SW18.1 | length 555.8
  Top Layer w6: v2(2877,2106) 2878.36,2106 3086.47,1897.89 3100.59,1897.89 D19.2@3128.95,1869.53
  Bottom Layer w6: SW18.1@2841.15,2297.05 2841.15,2141.85 v2(2877,2106)
NetD20_2: D20.2 SW19.1 | length 568.9
  Top Layer w6: v2(3645,2144) 3806.97,1982.03 3852.95,1982.03 3886.95,1948.03 D20.2@3886.95,1940.53
  Bottom Layer w6: SW19.1@3591.15,2359.95 3591.15,2200.85 3645,2147 v2(3645,2144)
NetD21_2: D21.2 SW20.1 | length 598.8
  Top Layer w6: v2(4353,2087) 4570.47,1869.53 D21.2@4645.95,1869.53
  Bottom Layer w6: SW20.1@4341.16,2297.05 4354,2284.21 4354,2088 v2(4353,2087)
NetD22_2: D22.2 SW21.1 | length 567.2
  Top Layer w6: v2(5170,2048) 5343.5,1874.5 5369,1874.5 5403,1840.5 D22.2@5403,1833
  Bottom Layer w6: SW21.1@5088.06,2254.79 5088.06,2129.94 v2(5170,2048)
NetD23_2: D23.2 SW22.1 | length 569.7
  Top Layer w6: v2(6712,788) 6745,755 6745,718 6887,576 D23.2@6936,576
  Bottom Layer w6: SW22.1@6639.06,994 6639.06,860.94 v2(6712,788)
NetD24_2: D24.2 SW23.1 | length 945.3
  Top Layer w6: v2(1439,2930) 1582.94,2930 1591.51,2921.43 1591.51,2667.59 1448.95,2525.03 D24.2@1448.95,2517.53
  Bottom Layer w6: SW23.1@1149.06,2926 1196.26,2879.79 1247.66,2863.15 ccw(c1268,2926) 1294.93,2865.68 v2(1439,2930)
NetD25_2: D25.2 SW24.1 | length 563.9
  Top Layer w6: v2(2130,2713) 2279.97,2563.03 2344.95,2563.03 2378.95,2529.03 D25.2@2378.95,2521.53
  Bottom Layer w6: SW24.1@2086.06,2926 2086.06,2756.94 v2(2130,2713)
NetD26_2: D26.2 SW25.1 | length 609.3
  Top Layer w6: v2(2839,2855) 3004.97,2689.03 3014.85,2689.03 3018.95,2684.93 3018.95,2675.05 3056.47,2637.53 D26.2@3148.95,2637.53
  Bottom Layer w6: SW25.1@2833.06,3056 2839,3050.06 v2(2839,2855)
NetD27_2: D27.2 SW26.1 | length 576.2
  Top Layer w6: v2(3622,2923) 3624,2921 3624,2915 3808.5,2730.5 3849,2730.5 3883,2696.5 D27.2@3883,2689
  Bottom Layer w6: SW26.1@3580.06,3116 3622,3074.06 v2(3622,2923)
NetD28_2: D28.2 SW27.1 | length 597.9
  Top Layer w6: v2(4350,2854) 4353,2854 4545.97,2661.03 4605.95,2661.03 4639.95,2627.03 D28.2@4639.95,2619.53
  Bottom Layer w6: SW27.1@4334.08,3053.89 4350,3037.97 v2(4350,2854)
NetD29_2: D29.2 SW28.1 | length 565.1
  Top Layer w6: v2(5142.86,2788.14) 5339,2592 D29.2@5386,2592
  Bottom Layer w6: SW28.1@5084.09,3003.89 5085.07,3003.89 5131.29,2957.67 5131.29,2956.69 5142.86,2945.11 v2(5142.86,2788.14)
NetD30_2: D30.2 SW29.1 | length 575.8
  Top Layer w6: v2(5850,2618) 5889.96,2618 6090.51,2417.45 6119.55,2417.45 D30.2@6133,2404
  Bottom Layer w6: SW29.1@5835.06,2816 5835.06,2632.94 v2(5850,2618)
NetD31_2: D31.2 SW30.1 | length 574.2
  Top Layer w6: v2(1202,3570) 1202,3477.99 1377.96,3302.03 1423.95,3302.03 1457.95,3268.03 D31.2@1457.95,3260.53
  Bottom Layer w6: SW30.1@1146.06,3678 1147.05,3678 1193.26,3631.79 1193.26,3582.8 1202,3574.06 v2(1202,3570)
NetD32_2: D32.2 SW31.1 | length 571.7
  Top Layer w6: v2(2111,3485) 2113,3483 2113,3477 2329.47,3260.53 D32.2@2384.95,3260.53
  Bottom Layer w6: SW31.1@2079.06,3673 2111,3641.06 v2(2111,3485)
NetD33_2: D33.2 SW32.1 | length 568.1
  Top Layer w6: v2(2868.64,3605.64) 3088.47,3385.82 3125.66,3385.82 D33.2@3130.95,3380.53
  Bottom Layer w6: SW32.1@2834.07,3803.89 2868.64,3769.32 v2(2868.64,3605.64)
NetD34_2: D34.2 SW33.1 | length 587.5
  Top Layer w6: v2(3634,3657) 3635.02,3655.98 3653.5,3655.98 3846.84,3462.64 3853.95,3462.64 3887.95,3428.64 D34.2@3887.95,3421.53
  Bottom Layer w6: SW33.1@3583.06,3867.79 3583.06,3707.94 v2(3634,3657)
NetD35_2: D35.2 SW34.1 | length 571.9
  Top Layer w6: v2(4388,3614.58) 4388,3604 4603.47,3388.53 4637.95,3388.53 D35.2@4645.95,3380.53
  Bottom Layer w6: SW34.1@4334.06,3803 4334.06,3668.52 v2(4388,3614.58)
NetD36_2: D36.2 SW35.1 | length 583.1
  Top Layer w6: v2(5126.52,3536.48) 5333,3330 D36.2@5399,3330
  Bottom Layer w6: SW35.1@5091.16,3746.96 5091.16,3571.84 v2(5126.52,3536.48)
NetD37_2: D37.2 SW36.1 | length 576.8
  Top Layer w10: v2(5906,3557) 5907,3556 5909,3556 6095.5,3369.5 6121,3369.5 6153,3337.5 D37.2@6153,3330
  Bottom Layer w10: SW36.1@5834.06,3758 5835.05,3758 5879.26,3713.79 5879.26,3712.8 5906,3686.06 v2(5906,3557)
NetD38_2: D38.2 SW37.1 | length 565.7
  Top Layer w6: D38.2@6719,-721 6753,-755 6753,-913.01 6974.53,-1134.54 SW37.1@6974.53,-1180.86
NetD39_2: D39.2 SW38.1 | length 573.4
  Top Layer w6: D39.2@7040,-21 7074,-55 7074,-242.69 7280,-448.69 SW38.1@7280,-495
NetD40_2: D40.2 SW39.1 | length 584.3
  Top Layer w6: D40.2@7401,685 7435,651 7435,397.31 7602,230.31 SW39.1@7602,184
NetJ2_A5: J2.A5 R9.1 | length 69.4
  Top Layer w6: R9.1@7877.5,2089.16 7903.72,2115.37 J2.A5@7936,2115.37
NetJ2_B5: J2.B5 R10.1 | length 72.9
  Top Layer w6: R10.1@7873.5,1972.16 7898.61,1997.26 J2.B5@7936,1997.26
NetL1_1: L1.1 Q1.17 | length 54.7
  Top Layer w6: L1.1@7150.65,4124.31 L1.1@7153.7,4124.31 ; L1.1@7154,4124.31 L1.1@7153.7,4124.31 ; Q1.17@7154.71,4073.34 7153.7,4074.35 L1.1@7153.7,4124.31
NetL2_1: L2.1 R1.2 | length 58
  Top Layer w6: L2.1@7153.68,4389.57 7154,4389.25 R1.2@7154,4331.65
NetL5_1: L5.1 Q1.38 | length 379
  Top Layer w6: Q1.38@7272.82,3802.87 7274.94,3800.75 7274.94,3788.94 7311.25,3752.62 7338.27,3752.62 7457.5,3633.39 7457.5,3556.5 L5.1@7486,3528
NetL6_2: L6.2 R5.1 | length 982.8
  Top Layer w6: L6.2@7103.69,3500 7103.69,3478.4 7152.71,3429.38 7182.65,3429.38 7214.19,3397.84 7214.19,3343.79 7227.91,3330.06 7414.1,3330.06 7533,3448.96 R5.1@7533,3838.5
NetL7_1: L7.1 Q2.16 | length 150.7
  Top Layer w20: 7185.77,2579.65 7209.01,2602.88 7209.01,2663.7 7218.69,2673.39 L7.1@7262,2673.39
NetL8_2: L8.2 Q2.20 | length 214.8
  Top Layer w20: 7185.77,2490.35 7249.83,2426.3 L8.2@7374,2426.3
NetLED1_A: LED1.A R8.2 | length 71.2
  Top Layer w6: LED1.A@7756,2610.5 7756.25,2610.75 7826.75,2610.75 R8.2@7827,2611
NetLED4_A: LED4.A R18.2 | length 112.1
  Top Layer w6: R18.2@7072,2736.5 7072,2826.87 7085.5,2840.36 LED4.A@7085.5,2843
NetLED5_2-DOUT: LED5.2-DOUT LED6.4-DIN | length 569.1
  Bottom Layer w6: LED5.2-DOUT@2397.46,228.96 2559.85,228.96 2600.93,270.04 LED6.4-DIN@2949.54,270.04
NetLED5_4-DIN: LED5.4-DIN LED.2-DOUT | length 624.9
  Bottom Layer w6: LED.2-DOUT@1633.46,228.96 1648.17,214.24 1669.7,214.24 1784.91,99.04 LED5.4-DIN@2204.54,99.04
NetLED6_2-DOUT: LED6.2-DOUT LED7.4-DIN | length 614.7
  Bottom Layer w6: LED6.2-DOUT@3142.46,399.96 3154.27,399.96 3216.19,338.04 LED7.4-DIN@3731.54,338.04
NetLED7_2-DOUT: LED7.2-DOUT LED8.4-DIN | length 601.2
  Bottom Layer w6: LED7.2-DOUT@3924.46,467.96 3936.27,467.96 4103.19,301.04 LED8.4-DIN@4456.54,301.04
NetLED8_2-DOUT: LED8.2-DOUT LED9.4-DIN | length 1258.2
  Bottom Layer w6: LED8.2-DOUT@4649.46,430.96 4661.27,430.96 5294.19,-201.96 5483.73,-201.96 5589.73,-307.96 LED9.4-DIN@5601.54,-307.96
NetLED9_2-DOUT: LED9.2-DOUT LED10.4-DIN | length 626.5
  Bottom Layer w6: LED9.2-DOUT@5794.46,-178.04 5839.04,-178.04 6218.96,-557.96 LED10.4-DIN@6263.54,-557.96
NetLED10_2-DOUT: LED10.2-DOUT LED11.4-DIN | length 827.7
  Bottom Layer w6: LED10.2-DOUT@6456.46,-428.04 6494.98,-428.04 6572.38,-505.44 6572.38,-538.92 6649.78,-616.31 6649.78,-707.5 6753.98,-811.71 6753.98,-858.68 6753.98,-868.58 6749.88,-872.68 6739.98,-872.68 6607.9,-872.68 6583.18,-847.96 LED11.4-DIN@6524.54,-847.96
NetLED11_2-DOUT: LED11.2-DOUT LED19.4-DIN | length 729.5
  Bottom Layer w6: LED11.2-DOUT@6717.46,-718.04 6705.65,-718.04 6690.93,-703.32 6690.93,-643.32 6636,-588.39 6636,-298.69 6795.02,-139.68 6818.83,-139.68 LED19.4-DIN@6833.54,-124.96
NetLED12_2-DOUT: LED12.2-DOUT LED20.4-DIN | length 890.5
  Bottom Layer w6: LED20.4-DIN@1267.54,1578.04 1313.41,1578.04 1377.72,1513.72 1474.31,1513.72 1538.63,1449.4 1538.63,1431.51 1456.52,1349.4 1456.52,1291.98 1497,1251.5 1497,981.5 LED12.2-DOUT@1463.46,947.96
NetLED12_4-DIN: LED12.4-DIN LED13.2-DOUT | length 2032.2
  Bottom Layer w6: LED12.4-DIN@1270.54,818.04 1406.31,818.04 1431.03,842.76 1736.99,842.76 1758.5,821.25 1758.5,740.2 1644.02,625.72 1644.02,544.68 1682.71,505.98 1872.27,505.98 1886.21,519.93 1886.21,669.23 1881.5,673.94 1881.5,823.25 1891.75,833.5 2140.94,833.5 2183.12,791.32 2247.97,791.32 2329.46,872.81 2329.46,905.49 2369.93,945.96 LED13.2-DOUT@2408.46,945.96
NetLED13_4-DIN: LED13.4-DIN LED14.2-DOUT | length 1036.2
  Bottom Layer w6: LED13.4-DIN@2215.54,816.04 2227.35,816.04 2319.46,908.15 2319.46,914.11 2396.85,991.5 2930.15,991.5 3012.61,1073.96 LED14.2-DOUT@3141.46,1073.96
NetLED14_4-DIN: LED14.4-DIN LED15.2-DOUT | length 1491.3
  Bottom Layer w6: LED14.4-DIN@2948.54,944.04 2994.41,944.04 3099.61,1049.24 3250.13,1049.24 3470.39,1269.5 3640.25,1269.5 3753.07,1156.68 3753.07,1105.08 3680.02,1032.02 3680.02,980.42 3684.12,976.32 3748.97,976.32 3850.55,1077.9 3850.55,1083.87 3897.65,1130.96 LED15.2-DOUT@3909.46,1130.96
NetLED15_4-DIN: LED15.4-DIN LED16.2-DOUT | length 1088.6
  Bottom Layer w6: LED15.4-DIN@3716.54,1001.04 3755.07,1001.04 3840.55,1086.52 3840.55,1119.2 3926.03,1204.68 4470.97,1204.68 4486.38,1189.26 4545.87,1189.26 4631.46,1103.68 4631.46,1080.96 LED16.2-DOUT@4635.46,1076.96
NetLED16_4-DIN: LED16.4-DIN LED17.2-DOUT | length 1099.4
  Bottom Layer w6: LED16.4-DIN@4442.54,947.04 4485.54,947.04 4544.26,888.32 5273.97,888.32 5370.17,984.52 5370.17,1017.2 5395.93,1042.96 LED17.2-DOUT@5434.46,1042.96